# Altium PCB revision2.PcbDoc (continued)
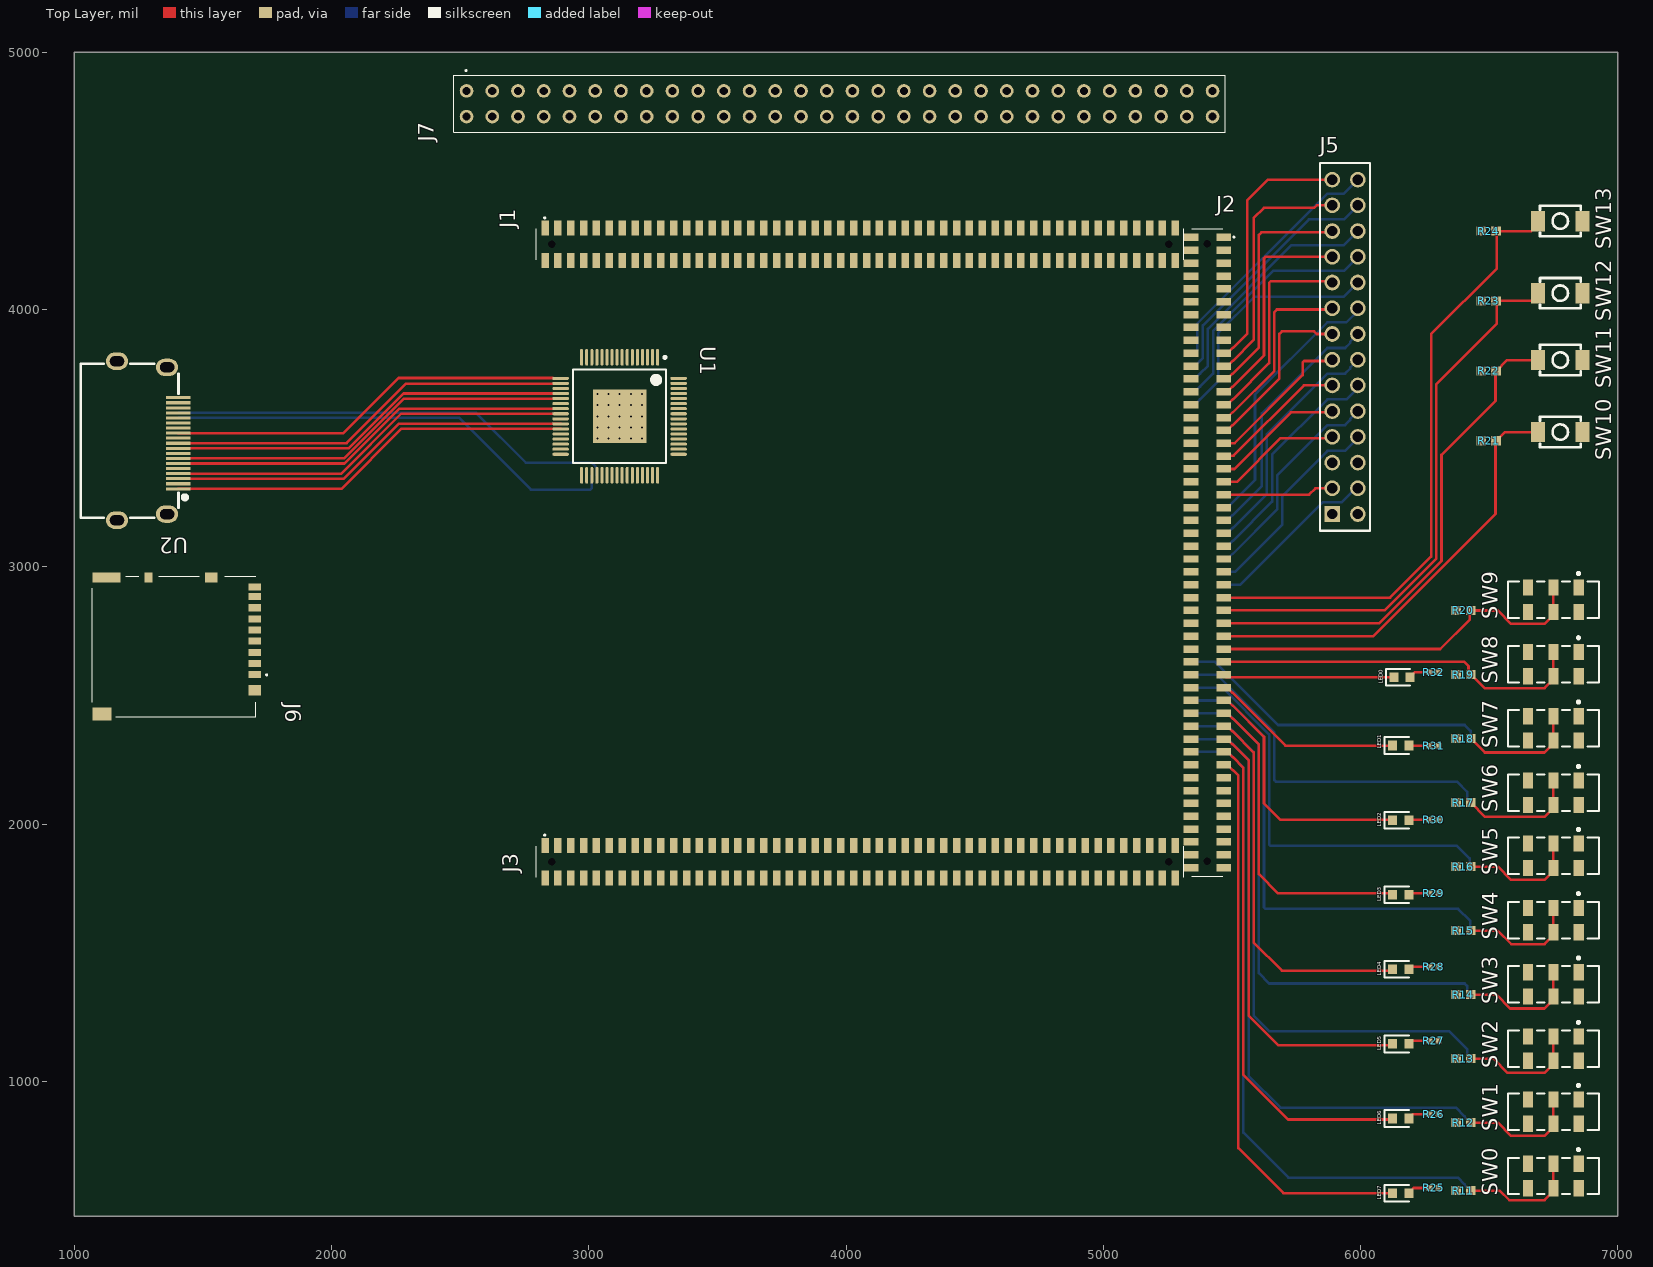
[diagram p0: Top Layer view]
## Footprints (in the part's own frame and the unit in brackets; to place one, negate y for a bottom-side part, rotate by r counter-clockwise, add the part's x,y. Pads: shape width x height; smd on the part's side, far side on the other; paste and mask are expansions set on the pad) (continued)
  rect 0.74x1.47 all layers, no hole: 15(22.225,-1.615) 16(22.225,1.615) 26(15.875,1.615) 28(14.605,1.615) 30(13.335,1.615) 32(12.065,1.615) 34(10.795,1.615) 36(9.525,1.615) 38(8.255,1.615) 40(6.985,1.615) 42(5.715,1.615) 44(4.445,1.615) 46(3.175,1.615) 48(1.905,1.615) 50(0.635,1.615) 52(-0.635,1.615) 54(-1.905,1.615) 56(-3.175,1.615) 58(-4.445,1.615) 60(-5.715,1.615) 62(-6.985,1.615) 64(-8.255,1.615) 66(-9.525,1.615) 68(-10.795,1.615) 70(-12.065,1.615)
  round 0.37 hole 0.74 unplated: 101(30.475,0) 102(-30.475,0)
  silkscreen extent -31.96,-2.66 31.96,1.52, body extent -31.97,-2.28 31.97,2.28, height 2.47
CLP-150-02-XXX-D-A#2 [mm]
  rect 0.74x1.47 smd: 1(31.115,-1.615) 2(31.115,1.615) 3(29.845,-1.615) 4(29.845,1.615) 5(28.575,-1.615) 6(28.575,1.615) 7(27.305,-1.615) 8(27.305,1.615) 9(26.035,-1.615) 10(26.035,1.615) 11(24.765,-1.615) 12(24.765,1.615) 13(23.495,-1.615) 14(23.495,1.615) 15(22.225,-1.615) 16(22.225,1.615) 17(20.955,-1.615) 18(20.955,1.615) 19(19.685,-1.615) 21(18.415,-1.615) 23(17.145,-1.615) 25(15.875,-1.615) 27(14.605,-1.615) 29(13.335,-1.615) 30(13.335,1.615) 31(12.065,-1.615) 32(12.065,1.615) 33(10.795,-1.615) 34(10.795,1.615) 35(9.525,-1.615) 36(9.525,1.615) 37(8.255,-1.615) 38(8.255,1.615) 39(6.985,-1.615) 40(6.985,1.615) 41(5.715,-1.615) 42(5.715,1.615) 44(4.445,1.615) 46(3.175,1.615) 48(1.905,1.615) 50(0.635,1.615) 52(-0.635,1.615) 54(-1.905,1.615) 56(-3.175,1.615) 57(-4.445,-1.615) 58(-4.445,1.615) 59(-5.715,-1.615) 60(-5.715,1.615) 61(-6.985,-1.615) 62(-6.985,1.615) 63(-8.255,-1.615) 64(-8.255,1.615) 65(-9.525,-1.615) 66(-9.525,1.615) 67(-10.795,-1.615) 69(-12.065,-1.615) 71(-13.335,-1.615) 73(-14.605,-1.615) 75(-15.875,-1.615) 77(-17.145,-1.615) 79(-18.415,-1.615) 81(-19.685,-1.615) 83(-20.955,-1.615) 84(-20.955,1.615) 85(-22.225,-1.615) 86(-22.225,1.615) 87(-23.495,-1.615) 88(-23.495,1.615) 89(-24.765,-1.615) 90(-24.765,1.615) 91(-26.035,-1.615) 92(-26.035,1.615) 93(-27.305,-1.615) 94(-27.305,1.615) 95(-28.575,-1.615) 96(-28.575,1.615) 97(-29.845,-1.615) 98(-29.845,1.615) 99(-31.115,-1.615) 100(-31.115,1.615)
  rect 0.74x1.47 all layers, no hole: 20(19.685,1.615) 22(18.415,1.615) 24(17.145,1.615) 26(15.875,1.615) 28(14.605,1.615) 43(4.445,-1.615) 45(3.175,-1.615) 47(1.905,-1.615) 49(0.635,-1.615) 51(-0.635,-1.615) 53(-1.905,-1.615) 55(-3.175,-1.615) 68(-10.795,1.615) 70(-12.065,1.615) 72(-13.335,1.615) 74(-14.605,1.615) 76(-15.875,1.615) 78(-17.145,1.615) 80(-18.415,1.615) 82(-19.685,1.615)
  round 0.37 hole 0.74 unplated: 101(30.475,0) 102(-30.475,0)
  silkscreen extent -31.97,-2.67 31.97,1.53, body extent -31.97,-2.28 31.97,2.28, height 2.47
CLP-150-02-XXX-D-A#3 [mm]
  rect 0.74x1.47 all layers, no hole: 1(31.115,-1.615) 2(31.115,1.615) 3(29.845,-1.615) 4(29.845,1.615)
  rect 0.74x1.47 smd: 5(28.575,-1.615) 6(28.575,1.615) 7(27.305,-1.615) 8(27.305,1.615) 9(26.035,-1.615) 10(26.035,1.615) 11(24.765,-1.615) 12(24.765,1.615) 13(23.495,-1.615) 14(23.495,1.615) 15(22.225,-1.615) 16(22.225,1.615) 17(20.955,-1.615) 18(20.955,1.615) 19(19.685,-1.615) 20(19.685,1.615) 21(18.415,-1.615) 22(18.415,1.615) 23(17.145,-1.615) 24(17.145,1.615) 25(15.875,-1.615) 26(15.875,1.615) 27(14.605,-1.615) 28(14.605,1.615) 29(13.335,-1.615) 30(13.335,1.615) 31(12.065,-1.615) 32(12.065,1.615) 33(10.795,-1.615) 34(10.795,1.615) 35(9.525,-1.615) 36(9.525,1.615) 37(8.255,-1.615) 38(8.255,1.615) 39(6.985,-1.615) 40(6.985,1.615) 41(5.715,-1.615) 42(5.715,1.615) 43(4.445,-1.615) 44(4.445,1.615) 45(3.175,-1.615) 46(3.175,1.615) 47(1.905,-1.615) 48(1.905,1.615) 49(0.635,-1.615) 50(0.635,1.615) 51(-0.635,-1.615) 52(-0.635,1.615) 53(-1.905,-1.615) 54(-1.905,1.615) 55(-3.175,-1.615) 56(-3.175,1.615) 57(-4.445,-1.615) 58(-4.445,1.615) 59(-5.715,-1.615) 60(-5.715,1.615) 61(-6.985,-1.615) 62(-6.985,1.615) 63(-8.255,-1.615) 64(-8.255,1.615) 65(-9.525,-1.615) 66(-9.525,1.615) 67(-10.795,-1.615) 68(-10.795,1.615) 69(-12.065,-1.615) 70(-12.065,1.615) 71(-13.335,-1.615) 72(-13.335,1.615) 73(-14.605,-1.615) 74(-14.605,1.615) 75(-15.875,-1.615) 76(-15.875,1.615) 77(-17.145,-1.615) 78(-17.145,1.615) 79(-18.415,-1.615) 80(-18.415,1.615) 81(-19.685,-1.615) 82(-19.685,1.615) 83(-20.955,-1.615) 84(-20.955,1.615) 85(-22.225,-1.615) 86(-22.225,1.615) 87(-23.495,-1.615) 88(-23.495,1.615) 89(-24.765,-1.615) 90(-24.765,1.615) 91(-26.035,-1.615) 92(-26.035,1.615) 93(-27.305,-1.615) 94(-27.305,1.615) 95(-28.575,-1.615) 96(-28.575,1.615) 97(-29.845,-1.615) 98(-29.845,1.615) 99(-31.115,-1.615) 100(-31.115,1.615)
  round 0.37 hole 0.74 unplated: 101(30.475,0) 102(-30.475,0)
  silkscreen extent -31.96,-2.66 31.96,1.52, body extent -31.97,-2.28 31.97,2.28, height 2.47
DM3ATSFPEJM5 [mm]
  rect 0.7x1.2 smd: 1(2.775,7.412) 2(1.675,7.412) 3(0.575,7.412) 4(-0.525,7.412) 5(-1.625,7.412) 7(-3.825,7.412) 8(-4.925,7.412)
  rect 0.7x1.2 all layers, no hole: 6(-2.725,7.412) MP2(-5.875,7.412)
  rect 1x1.2 all layers, no hole: MP1(4.325,7.412) MP3(-6.825,3.112)
  rect 1x0.8 all layers, no hole: MP4(-6.825,-3.087)
  rect 1x2.8 all layers, no hole: MP5(-6.825,-7.237)
  rect 1.3x1.9 all layers, no hole: MP6(6.675,-7.688)
  silkscreen extent -6.93,-8.64 6.93,8.64, body extent -6.98,-8.65 6.97,7.51, height 1.68
FP-JS202011JCQN-MFG#1 [mm]
  rect 1x1.6 smd paste+0 mask+0: 1(-2.5,-1.2) 2(0,-1.2) 3(2.5,-1.2) 6(0,1.2) 7(2.5,1.2)
  rect 1x1.6 all layers, no hole paste-2539.97 mask+0: 5(-2.5,1.2)
  silkscreen extent -4.5,-2.72 4.5,1.8, body extent -4.6,-2.1 4.6,2.1, height 0.25
FP-JS202011JCQN-MFG#2 [mm]
  rect 1x1.6 all layers, no hole paste-2539.97 mask+0: 1(-2.5,-1.2) 5(-2.5,1.2)
  rect 1x1.6 smd paste+0 mask+0: 2(0,-1.2) 3(2.5,-1.2) 6(0,1.2) 7(2.5,1.2)
  silkscreen extent -4.5,-2.72 4.5,1.8, body extent -4.6,-2.1 4.6,2.1, height 0.25
HDMI-232D [mm]
  rect 0.3x2.4 smd paste-100 mask+0.051: 1(4.75,3.025) 3(3.75,3.025) 4(3.25,3.025) 6(2.25,3.025) 7(1.75,3.025) 9(0.75,3.025) 10(0.25,3.025) 12(-0.75,3.025) 14(-1.75,3.025) 18(-3.75,3.025) 19(-4.25,3.025)
  rect 0.3x2.4 all layers, no hole paste-100 mask+0.051: 2(4.25,3.025) 5(2.75,3.025) 8(1.25,3.025) 11(-0.25,3.025) 13(-1.25,3.025) 15(-2.25,3.025) 16(-2.75,3.025) 17(-3.25,3.025)
  oval 1.7x2.2 hole 1 slot 1.4 at 90 deg: 20(7.25,1.925) 21(7.85,-3.025) 22(-7.85,-3.025) 23(-7.25,1.925)
  silkscreen extent -7.62,-6.6 7.62,3.88
LEDC1608X80N [mm]
  rect 0.9x0.95 smd: 1(-0.8,0) 2(0.8,0)
  silkscreen extent -1.6,-0.82 0.8,0.82, body extent -0.83,-0.4 0.77,0.4, height 0.8
RES-0402 [mm] "Chip Resistor, 2-Leads, Body 1.00x0.50mm, IPC Medium Density"
  rect 0.6x0.55 all layers, no hole: 1(-0.45,0)
  rect 0.6x0.55 smd: 2(0.45,0)
  body extent -0.55,-0.27 0.55,0.28, height 0.4
RES-0603#1 [mm] "Chip Resistor, 2-Leads, Body 1.60x0.80mm, IPC Medium Density"
  rect 0.95x0.9 all layers, no hole: 1(-0.725,0) 2(0.725,0)
  body extent -0.85,-0.45 0.85,0.45, height 0.55
RES-0603#2 [mm] "Chip Resistor, 2-Leads, Body 1.60x0.80mm, IPC Medium Density"
  rect 0.95x0.9 smd: 1(-0.725,0)
  rect 0.95x0.9 all layers, no hole: 2(0.725,0)
  body extent -0.85,-0.45 0.85,0.45, height 0.55
SMTC-SSQ-114-01-X-D [mm] "SQ Post Socket, 2x14 Pins, Vertical, 2.54mm Pitch, Female"
  rect 1.55x1.55 hole 1.02: 1(0,0)
  round 1.55 hole 1.02: 2(0,-2.54) 3(2.54,0) 4(2.54,-2.54) 5(5.08,0) 6(5.08,-2.54) 7(7.62,0) 8(7.62,-2.54) 9(10.16,0) 10(10.16,-2.54) 11(12.7,0) 12(12.7,-2.54) 13(15.24,0) 14(15.24,-2.54) 15(17.78,0) 16(17.78,-2.54) 17(20.32,0) 18(20.32,-2.54) 19(22.86,0) 20(22.86,-2.54) 21(25.4,0) 22(25.4,-2.54) 23(27.94,0) 24(27.94,-2.54) 25(30.48,0) 26(30.48,-2.54) 27(33.02,0) 28(33.02,-2.54)
  silkscreen extent -1.65,-3.74 34.67,1.2, body extent -1.52,-3.75 34.54,1.21, height 8.51
TS-1185-B-A-B-A [mm]
  rect 1.35x2 all layers, no hole: 1(11.851,17.181)
  rect 1.35x2 smd: 2(16.251,17.181)
  silkscreen extent 12.05,15.68 16.05,18.68

## Part data
J1 J2 J3 J7: "Connector", Manufacturer_Name=SAMTEC
  J1 J2 J3: Datasheet Link=http://suddendocs.samtec.com/prints/erm8-xxx-xx.x-xxx-dv-xxxx-xx-mkt.pdf, Height=2.37mm, Manufacturer_Part_Number=CLP-150-02-L-D-A
  J7: Datasheet Link=http://suddendocs.samtec.com/prints/ces-1xx-xx-x-d%20-mkt.pdf, Manufacturer_Part_Number=CES-130-02-T-D
J5: library part CMP-1023-00305-1, "SQ Post Socket, Through-hole, Vertical, -55 to 125 degC, 2.54 mm Pitch, 28-Pin, Female, RoHS", Manufacturer=Samtec, Temperature Range="-55 to 125 degC", ComponentLink1Description="Manufacturer URL", ComponentLink1URL=http://www.samtec.com, ComponentLink2Description=Datasheet, ComponentLink2URL=http://www.samtec.com/documents/webfiles/pdf/SSQ_TH.PDF, ComponentLink3Description="Package Specification", ComponentLink3URL=http://www.samtec.com/documents/webfiles/cpdf/SSQ-1XX-XX-XXX-X-XX-XXX-XX-X-MKT.pdf, DatasheetVersion=F-214, Mounting Technology=Through-hole, Orientation=Vertical, PackageDescription="Assembly, Socket Strip .025[0.64] SQ Tail", PackageReference=SSQ-114-01-X-D, PackageVersion="BD, 6/1987", PartNumber=SSQ-114-01-G-D, Pitch="2.54 mm", RoHS=True
J6: "Connector", Manufacturer_Name=Hirose, Mouser Part Number=798-DM3AT-SF-PEJM5, Datasheet Link=https://datasheet.lcsc.com/szlcsc/Hirose-HRS-DM3AT-SF-PEJM5_C114218.pdf, Height=1.83mm, Manufacturer_Part_Number=DM3AT-SF-PEJM5, Mouser Price/Stock=https://www.mouser.co.uk/ProductDetail/Hirose-Connector/DM3AT-SF-PEJM5?qs=LZSZKJVF%252B2WTDKp%252BR7IYAQ%3D%3D
LED0 LED1 LED2 LED3 LED4 LED5 LED6 LED7: "LED", Manufacturer_Name=Lite-On, Mouser Part Number=859-LTST-C190KRKT, Arrow Part Number=LTST-C190KRKT, Arrow Price/Stock=https://www.arrow.com/en/products/ltst-c190krkt/lite-on-technology?utm_currency=USD&region=europe, Datasheet Link=https://componentsearchengine.com/Datasheets/1/LTST-C190KRKT.pdf, Height=0.8mm, Manufacturer_Part_Number=LTST-C190KRKT, Mouser Price/Stock=https://www.mouser.co.uk/ProductDetail/LITEON/LTST-C190KRKT?qs=kAD5fFa1n5VY3YYNWPC1Fg%3D%3D
R11 R12 R13 R14 R15 R16 R17 R18 R19 R20 R21 R22 R23 R24: "Resistor, 10kΩ, ±1%, 100mW, 75V, ±100ppm/℃, -55℃~+155℃, SMD 0603", JLCPCB Basic Part=Yes, JLCPCB Part Number=C25804, Manufacturer=Uniroyal, Package Size=0603, Power Rating=100mW, Resistance=10kΩ, Temperature Coefficient=±100ppm/℃, Temperature Rating=-55℃~+155℃, Tolerance=±1%, Voltage Rating=75V, Category=Resistors, ComponentLink1Description=Datasheet, ComponentLink1URL=https://wmsc.lcsc.com/wmsc/upload/file/pdf/v2/lcsc/2206010045_UNI-ROYAL-Uniroyal-Elec-0603WAF1002T5E_C25804.pdf, ComponentLink2Description="JLCPCB Part URL", ComponentLink2URL=https://jlcpcb.com/partdetail/C25804, Manufacturer Part Number=0603WAF1002T5E, Supplier 1=LCSC, Supplier Part Number 1=C25804
R25 R26 R27 R28 R29 R30 R31 R32: "Resistor, 200Ω, ±1%, 62.5mW, 50V, ±100ppm/℃, -55℃~+155℃, SMD 0402", JLCPCB Basic Part=Yes, JLCPCB Part Number=C25087, Manufacturer=Uniroyal, Package Size=0402, Power Rating=62.5mW, Resistance=200Ω, Temperature Coefficient=±100ppm/℃, Temperature Rating=-55℃~+155℃, Tolerance=±1%, Voltage Rating=50V, Category=Resistors, ComponentLink1Description=Datasheet, ComponentLink1URL=https://wmsc.lcsc.com/wmsc/upload/file/pdf/v2/lcsc/2205311900_UNI-ROYAL-Uniroyal-Elec-0402WGF2000TCE_C25087.pdf, ComponentLink2Description="JLCPCB Part URL", ComponentLink2URL=https://jlcpcb.com/partdetail/C25087, Manufacturer Part Number=0402WGF2000TCE, Supplier 1=LCSC, Supplier Part Number 1=C25087
SW0 SW1 SW2 SW3 SW4 SW5 SW6 SW7 SW8 SW9: library part CMP-10038-000009-1, "SWITCH SLIDE DPDT 300MA 6V", Current Rating=300mA, Max Operating Temperature=85°C, Min Operating Temperature=-40°C, Voltage Rating (DC)=6V, Actuator Length=2mm, Actuator Material=Nylon, Actuator Type=Standard, Contact Material="Copper Alloy", Contact Plating=Silver, Electrical Life=5000Cycles, Mount="Surface Mount", Packaging="Cut Tape", Switch Function=On-On, Switch Travel=2mm, Throw Configuration=DPDT
SW10 SW11 SW12 SW13: "Tactile switch ROHS, SPST Surface Mount, -30C +85C 1.6N 12V 2mm 3mm 4mm 50mA Black no round button", Actuator/Cap Color=Black, Contact Current=50mA, Insulation Resistance=-, JLCPCB Part Class="Extended Part", LCSC Part Name="4*3*2mm 立贴 轻触开关", Manufacturer="XKB Connectivity(中国星坤)", Operating Force=160gf, Operating Temperature=-30℃~+85℃, Voltage Rating (DC)=12V, Actuator Style="Round Button", Add into BOM=yes, Circuit=SPST, Convert to PCB=yes, Datasheet=https://atta.szlcsc.com/upload/public/pdf/source/20211011/C2F26DC0AE1820400F54DBF49644F5A1.pdf, Device=TS-1185-B-A-B-A, Manufacturer Part=TS-1185-B-A-B-A, Mechanical Life=10万次, Mounting Style="Brick nogging", Strike Gundam=不带, Supplier=LCSC, Supplier Footprint=SMD, Supplier Part=C561517, Switch Height=2mm, Switch Length=4mm, Switch Width=3mm, Symbol=TS-1185-B-A-B-A, With Lamp=No
U1: library part CMP-2000-05043-1, "High Performance HDMI Transmitter, 165 MHz, 1.8 to 3.3 V, -25 to 85 degC, 64-Pin LQFP, RoHS, Tray", Manufacturer=AnalogDevicesInc., Maximum Operating Temperature=+85C, Minimum Operating Temperature=-25C, Operating Supply Voltage=1.8Vto3.3V, Package / Case=LQFP-64, Brand=AnalogDevices, Datasheet URL=https://datasheet.ciiva.com/15120/getdatasheetpartid-570006-15120176.pdf, Datasheet Version="Rev. A, 01/2013", Factory Pack Quantity=160, Manufacturer URL=http://www.analog.com/, Mounting Style=SMD/SMT, Number of Channels=8Channel, Packaging=Tray, Product Category=VideoICs, RoHS=Details, Series=ADV7513, Type=HDMITransmitters
U2: JLCPCB Part Class="Extended Part", LCSC Part Name="HDMI TYPE A型短体壳长9.5", Manufacturer=HANBO(汉博), Add into BOM=yes, Convert to PCB=yes, Datasheet=https://item.szlcsc.com/datasheet/HDMI-232D/49535968.html, Device=HDMI-232D, Manufacturer Part=HDMI-232D, Supplier=LCSC, Supplier Footprint=SMD, Supplier Part=C47326463, Symbol=HDMI-232D

## Via types
v1: diameter 19.68, hole 7.87, Top Layer to Bottom Layer, 25 vias

## Nets (pads, with @x,y where several pads share a name; then routed paths per layer and width w, separated by ;. In a path a pad name is that pad's centre, name@x,y a point inside that pad or via, vN(x,y) a via of type N, cw(c..) or ccw(c..) an arc to the next point about the centre after c; other vN are vias at no path point)
64_L1_N: J1.40 J7.25
64_L1_P: J1.39 J7.26
64_L2_N: J1.47 J7.34
64_L2_P: J1.48 J7.33
64_L3_N: J1.46 J7.31
64_L3_P: J1.45 J7.32
64_L4_N: J1.38 J7.23
64_L4_P: J1.37 J7.24
64_L5_N: J1.49 J7.36
64_L5_P: J1.50 J7.35
64_L6_N: J1.35 J7.22
64_L6_P: J1.36 J7.21
64_L7_N: J1.56 J7.41
64_L7_P: J1.55 J7.42
64_L9_N: J1.53 J7.40
64_L9_P: J1.54 J7.39
64_L11_N: J1.58 J7.43
64_L11_P: J1.57 J7.44
64_L12_N: J1.52 J7.37
64_L12_P: J1.51 J7.38
64_L13_N: J1.71
64_L13_P: J1.72
64_L14_N: J1.73
64_L14_P: J1.74
64_L15_N: J1.61 J7.48
64_L15_P: J1.62 J7.47
64_L16_N: J1.67 J7.54
64_L16_P: J1.68 J7.53
64_L17_N: J1.66 J7.51
64_L17_P: J1.65 J7.52
64_L18_N: J1.75
64_L18_P: J1.76
64_L19_N: J1.33 J7.20
64_L19_P: J1.34 J7.19
64_L21_N: J1.63 J7.50
64_L21_P: J1.64 J7.49
64_L22_N: J1.69 J7.56
64_L22_P: J1.70 J7.55
64_L23_N: J1.77
64_L23_P: J1.78
64_L24_N: J1.60 J7.45
64_L24_P: J1.59 J7.46
65_L16_N: J1.43 J7.30
65_L16_P: J1.44 J7.29
65_L17_N: J3.21
65_L17_P: J3.22
65_L18_N: J1.42 J7.27
65_L18_P: J1.41 J7.28
65_L20_N: J3.55
65_L20_P: J3.56
65_L21_N: J1.32 J7.17
65_L21_P: J1.31 J7.18
65_L22_N: J1.30 J7.15
65_L22_P: J1.29 J7.16
65_L23_N: J3.62
65_L23_P: J3.61
65_L24_N: J3.33
65_L24_P: J3.34
66_L5_N: J3.43
66_L5_P: J3.44
66_L8_N: J1.26 J7.11
66_L8_P: J1.25 J7.12
66_L9_N: J3.23
66_L9_P: J3.24
66_L10_N: J1.28 J7.13
66_L10_P: J1.27 J7.14
66_L15_N: J3.25
66_L15_P: J3.26
66_L17_N: J3.28
66_L17_P: J3.27
67_L1_N: J3.80
67_L1_P: J3.79
67_L2_N: J3.70
67_L2_P: J3.69
67_L3_N: J3.78
67_L3_P: J3.77
67_L4_N: J3.57
67_L4_P: J3.58
67_L5_N: J3.72
67_L5_P: J3.71
67_L6_N: J3.68
67_L6_P: J3.67
67_L7_N: J3.76
67_L7_P: J3.75
67_L9_N: J3.41
67_L9_P: J3.42
67_L10_N: J3.45
67_L10_P: J3.46
67_L12_N: J3.53
67_L12_P: J3.54
67_L13_N: J3.51
67_L13_P: J3.52
67_L14_N: J3.49
67_L14_P: J3.50
67_L15_N: J3.66
67_L15_P: J3.65
67_L16_N: J3.60
67_L16_P: J3.59
67_L17_N: J3.74
67_L17_P: J3.73
67_L18_N: J3.47
67_L18_P: J3.48
67_L19_N: J3.31
67_L19_P: J3.32
67_L20_N: J3.39
67_L20_P: J3.40
67_L22_N: J3.37
67_L22_P: J3.38
67_L23_N: J3.29
67_L23_P: J3.30
67_L24_N: J3.35
67_L24_P: J3.36
A9: J2.62 R20.1 SW9.2 SW9.6 | length 1504.2
  Top Layer w10: 5468.58,2680.2 6310.2,2680.2 6425,2795 6425,2826.46 R20.1 6533.8,2830 6585.92,2777.87 6715.31,2777.87 6750,2812.56 SW9.6 SW9.2
A10: J2.64 R19.1 SW8.2 SW8.6 | length 1457.6
  Top Layer w10: 5468.58,2630.2 6403.63,2630.2 6420,2613.83 6420,2589.65 R19.1 ; R19.1@6429.53,2581.11 6482.76,2527.87 6715.31,2527.87 6750,2562.56 SW8.6 SW8.2
A12: J2.81 LED4.1 | length 1949.1
  Top Layer w10: J2.81 5482.95,2280.2 5503.39,2259.76 5503.73,2259.76 5545,2218.5 5545,1025 5718.83,851.17 6121.17,851.17 6125,855
A13: J2.74 R17.1 SW6.2 SW6.6 | length 1883.9
  Top Layer w10: R17.1 6429.53,2083.33 6484.99,2027.87 6715.31,2027.87 6750,2062.56 SW6.6 SW6.2
  Bottom Layer w10: 5341.42,2580.2 5441.37,2580.2 5665,2356.57 5665,2170.86 5670.86,2165 6375,2165 6414.67,2125.33 6414.67,2097.2 6414.84,2097.03 6414.84,2096.05 6427.56,2083.33 R17.1
A14: J2.75 LED1.1 | length 1243.5
  Top Layer w10: J2.75 5482.95,2430.2 5503.39,2409.76 5503.73,2409.76 5605,2308.5 5605,1805 5680,1730 6120,1730 6125,1725
AA13: J2.31 J6.3 | length 686.4
  Top Layer w10: J2.31 5482.95,3530.2 5503.39,3550.63 5503.73,3550.63 5685,3731.9 5685,3905 5695,3915 5820,3915 5830,3905 5890,3905
AA14: J2.32 J6.5
AB14: J2.29 J6.1 | length 731
  Top Layer w10: J2.29 5482.95,3580.2 5503.39,3600.63 5503.73,3600.63 5665,3761.9 5665,3990 5675,4000 5885,4000 5890,4005
AB16: J2.30 J6.2
AC13: J2.27 | length 805.1
  Top Layer w10: J2.27 5482.95,3630.2 5503.39,3650.63 5503.73,3650.63 5645,3791.9 5645,4104.14 5650.86,4110 5885,4110 5890,4105
AC14: J2.28 | length 955
  Bottom Layer w10: J2.28 5355.79,3630.2 5376.22,3650.63 5376.57,3650.63 5446.96,3721.02 5446.96,3908.43 5589.04,4050.51 5935.51,4050.51 5990,4105
AD13: J2.25 | length 859.8
  Top Layer w10: J2.25 5482.95,3680.2 5503.39,3700.63 5503.73,3700.63 5625,3821.9 5625,4199.14 5630.86,4205 5890,4205
AD14: J2.26 | length 963
  Bottom Layer w10: J2.26 5355.79,3680.2 5376.22,3700.63 5376.57,3700.63 5426.96,3751.02 5426.96,3916.72 5660.76,4150.51 5935.51,4150.51 5990,4205
AD15: J2.20 | length 989.6
  Bottom Layer w10: J2.20 5355.79,3830.2 5365.35,3839.76 5365.35,3944.72 5871.15,4450.51 5935.51,4450.51 5990,4505
ADC_VN: J3.63
ADC_VP: J3.64
AE13: J2.23 | length 916.1
  Top Layer w10: J2.23 5482.95,3730.2 5503.39,3750.63 5503.73,3750.63 5605,3851.9 5605,4290 5615,4300 5885,4300 5890,4305
AE15: J2.24 | length 971
  Bottom Layer w10: J2.24 5355.79,3730.2 5376.22,3750.63 5376.57,3750.63 5406.96,3781.02 5406.96,3925 5732.47,4250.51 5935.51,4250.51 5990,4305
AF13: J2.21 | length 957.4
  Top Layer w10: J2.21 5482.95,3780.2 5503.39,3800.63 5503.73,3800.63 5585,3881.9 5585,4355 5625,4395 5820,4395 5830,4405 5890,4405
AF14: J2.22 | length 981.8
  Bottom Layer w10: J2.22 5355.79,3780.2 5376.22,3800.63 5376.57,3800.63 5386.96,3811.02 5386.96,3938.04 5799.43,4350.51 5935.51,4350.51 5990,4405
AF15: J2.19 | length 1004.4
  Top Layer w10: J2.19 5482.95,3830.2 5503.39,3850.63 5503.73,3850.63 5560,3906.9 5560,4425 5640,4505 5890,4505
B9: J2.83 LED5.1 | length 2194.7
  Top Layer w10: J2.83 5482.95,2230.2 5503.39,2209.76 5503.73,2209.76 5525,2188.5 5525,740 5700,565 6125,565
B10: J2.66 R18.1 SW7.2 SW7.6 | length 1692.3
  Top Layer w10: R18.1 6429.53,2332.22 6483.88,2277.87 6715.31,2277.87 6750,2312.56 SW7.6 SW7.2
  Bottom Layer w10: 5341.42,2630.2 5434.8,2630.2 5680,2385 6405,2385 6428.54,2361.46 R18.1
B11: J2.79 LED3.1 | length 1733.5
  Top Layer w10: J2.79 5482.95,2330.2 5503.39,2309.76 5503.73,2309.76 5565,2248.5 5565,1255 5680,1140 6120,1140 6125,1145
B12: J2.76 R16.1 SW5.2 SW5.6 | length 2105
  Top Layer w10: R16.1 6534.07,1834.44 6585.64,1782.87 6715.31,1782.87 6750,1817.56 SW5.6 SW5.2
  Bottom Layer w10: 5341.42,2530.2 5463.09,2530.2 5645,2348.28 5645,1920.86 5650.86,1915 6375,1915 6424.14,1865.86 6424.14,1838.85 R16.1
B14: J2.80 R14.1 SW3.2 SW3.6 | length 2537
  Top Layer w10: R14.1@6429.53,1336.67 6528.33,1336.67 6582.13,1282.87 6715.31,1282.87 6750,1317.56 SW3.6 SW3.2
  Bottom Layer w10: 5341.42,2430.2 5484.8,2430.2 5605,2310 5605,1420 5645,1380 6405,1380 6414.84,1370.16 6414.84,1349.38 6427.56,1336.67 R14.1
C9: J2.84 R12.1 SW1.2 SW1.6 | length 2889
  Top Layer w10: R12.1 6534.35,838.89 6585.37,787.87 6715.31,787.87 6750,822.56 SW1.6 SW1.2
  Bottom Layer w10: 5341.42,2330.2 5484.8,2330.2 5565,2250 5565,1020.86 5688.6,897.26 6370.72,897.26 6405.16,862.82 6405.16,861.29 6427.56,838.89 R12.1
C11: J2.69 LED7.1 | length 665.6
  Top Layer w10: J2.69 5478.15,2570.63 5497.75,2570.63 5498.38,2570 6130,2570
C12: J2.77 LED2.1 | length 1484.7
  Top Layer w10: J2.77 5482.95,2380.2 5503.39,2359.76 5503.73,2359.76 5585,2278.5 5585,1540 5695,1430 6120,1430 6125,1435
C13: J2.78 R15.1 SW4.2 SW4.6 | length 2331.7
  Top Layer w10: R15.1 6533.52,1585.56 6586.2,1532.87 6715.31,1532.87 6750,1567.56 SW4.6 SW4.2
  Bottom Layer w10: 5341.42,2480.2 5484.8,2480.2 5625,2340 5625,1675.86 5630.86,1670 6380,1670 6426.03,1623.97 6426.03,1588.07 R15.1
C14: J2.73 LED0.1 | length 1000.1
  Top Layer w10: J2.73 5482.95,2480.2 5503.39,2459.76 5503.73,2459.76 5625,2338.5 5625,2080 5689.02,2015.98 6125,2015.98
D9: J2.86 R11.1 SW0.2 SW0.6 | length 3083.7
  Top Layer w10: R11.1 6541.3,575 6578.42,537.87 6715.31,537.87 6750,572.56 SW0.6 SW0.2
  Bottom Layer w10: 5341.42,2280.2 5484.8,2280.2 5545,2220 5545,800 5720,625 6379.09,625 6405.16,598.93 6405.16,597.4 6427.56,575 R11.1
D10: J2.67
D11: J2.61 R23.1 SW12.2 | length 1953.8
  Top Layer w10: J2.61 6071.91,2780.2 6315,3023.28 6315,3435 6525,3645 6525,3759.58 6525.98,3759.58 6569.99,3803.58 6690.19,3803.58
D13: J2.82 R13.1 SW2.2 SW2.6 | length 2701.2
  Top Layer w10: R13.1@6429.53,1087.78 6517.22,1087.78 6572.13,1032.87 6715.31,1032.87 6750,1067.56 SW2.6 SW2.2
  Bottom Layer w10: 5341.42,2380.2 5484.8,2380.2 5585,2280 5585,1255 5645,1195 6345,1195 6414.84,1125.16 6414.84,1100.49 6427.56,1087.78 R13.1
D14: J2.71 LED6.1 | length 749.7
  Top Layer w10: J2.71 5482.95,2530.2 5503.39,2509.76 5503.73,2509.76 5708.5,2305 6125,2305
E10: J2.72
E11: J2.65 R21.1 SW10.2
E12: J2.68
F9: J2.70
F10: J2.63 R22.1 SW11.2 | length 1716
  Top Layer w10: J2.63 6050.2,2730.2 6525,3205 6525,3487.91 6527.09,3490 6528.07,3490 6561.65,3523.58 6690.19,3523.58
F12: J2.57 J5.3 | length 2431.1
  Top Layer w10: J2.57 6115.34,2880.2 6275,3039.85 6275,3905 6530,4160 6530,4302.09 6527.09,4305 6664.4,4305 6690.19,4330.79 6690.19,4343.58
F13: J2.58 J5.4
F14: J2.60
G9: J2.45 J5.17 | length 990
  Bottom Layer w10: J2.45 5482.95,3180.2 5503.39,3200.63 5503.73,3200.63 5616.32,3313.22 5616.32,3595.69 5871.15,3850.51 5940.51,3850.51 5960.32,3870.32 5960.32,3875.32 5990,3905
G10: J2.46 J5.18
G11: J2.55 J5.7 | length 676.7
  Bottom Layer w10: J2.55 5532.96,2930.2 5853.27,3250.51 5925.51,3250.51 5980,3305 5990,3305
G12: J2.56 J5.8
G14: J2.59 R24.1 SW13.2 | length 2190.9
  Top Layer w10: J2.59 6093.63,2830.2 6295,3031.57 6295,3710 6530,3945 6530,4030.42 6527.09,4033.33 6668.61,4033.33 6690.19,4054.91 6690.19,4063.58
GND: J1.1 J1.2 J1.3 J1.4 J1.5 J1.6 J1.13 J1.14 J3.1 J3.2 J3.3 J3.4 J3.81 J3.82 J5.5 J5.6 J6.6 J6.MP1 J6.MP2 J6.MP3 J6.MP4 J6.MP5 J6.MP6 J7.1 J7.2 J7.3 J7.4 J7.7 J7.8 J7.57 J7.58 SW0.1 SW0.5 SW1.1 SW1.5 SW2.1 SW2.5 SW3.1 SW3.5 SW4.1 SW4.5 SW5.1 SW5.5 SW6.1 SW6.5 SW7.1 SW7.5 SW8.1 SW8.5 SW9.1 SW9.5 SW10.1 SW11.1 SW12.1 SW13.1 U2.2 U2.5 U2.8 U2.11 U2.17 U2.20 U2.21 U2.22 U2.23
H9: J2.43 J5.19 | length 1042.8
  Bottom Layer w10: J2.43 5482.95,3230.2 5590,3337.24 5590,3669.36 5871.15,3950.51 5945.51,3950.51 5990,3995 5990,4005
H11: J2.50 J5.14
H12: J2.44 J5.20
H13: J2.51 J5.11 | length 840
  Bottom Layer w10: J2.51 5482.95,3030.2 5503.39,3050.63 5503.73,3050.63 5676.32,3223.22 5676.32,3355.69 5871.15,3550.51 5940.51,3550.51 5960,3570 5960,3575 5990,3605
H14: J2.52 J5.12
J9: J2.41 J5.21 | length 431.7
  Top Layer w10: J2.41 5800.2,3280.2 5825,3305 5890,3305
J10: J2.42 J5.22
J11: J2.49 J5.13 | length 893
  Bottom Layer w10: J2.49 5482.95,3080.2 5503.39,3100.63 5503.73,3100.63 5656.32,3253.22 5656.32,3435.69 5871.15,3650.51 5945.51,3650.51 5990,3695 5990,3705
J12: J2.47 J5.15 | length 940
  Bottom Layer w10: J2.47 5482.95,3130.2 5503.39,3150.63 5503.73,3150.63 5636.32,3283.22 5636.32,3515.69 5871.15,3750.51 5940.51,3750.51 5960.32,3770.32 5960.32,3775.32 5990,3805
J13: J2.48 J5.16
J14: J2.53 J5.9 | length 807.2
  Bottom Layer w10: J2.53 5512.52,2980.2 5696.32,3164 5696.32,3275.69 5871.15,3450.51 5940.51,3450.51 5990,3500 5990,3505
J15: J2.54 J5.10
K9: J2.39 J5.23 | length 493.8
  Top Layer w10: J2.39 5520.2,3330.2 5690,3500 5885,3500 5890,3505
K10: J2.40 J5.24
NetJ4_1: 
NetJ4_2: 
NetJ4_3: 
NetJ4_13: 
NetJ4_14: 
NetLED0_2: LED0.2 R32.2 | length 83.2
  Top Layer w10: LED0.2 6192.99,2570.98 6212.01,2590 R32.2
NetLED1_2: LED1.2 R31.2 | length 79.9
  Top Layer w10: LED1.2 6189.42,2303.57 R31.2
NetLED2_2: LED2.2 R30.2 | length 80.2
  Top Layer w10: LED2.2 6190.13,2017.14 R30.2
NetLED3_2: LED3.2 R29.2 | length 81.7
  Top Layer w10: LED3.2 6193.71,1730.71 R29.2
NetLED4_2: LED4.2 R28.2 | length 83.1
  Top Layer w10: LED4.2 6197.28,1444.29 R28.2
NetLED5_2: LED5.2 R27.2 | length 84.7
  Top Layer w10: LED5.2 6187.99,1145.14 6200.71,1157.86 R27.2
NetLED6_2: LED6.2 R26.2 | length 86.7
  Top Layer w10: LED6.2 6187.99,855.98 6203.44,871.43 R26.2
NetLED7_2: LED7.2 R25.2 | length 88.2
  Top Layer w10: LED7.2 6187.99,565.98 6207.01,585 R25.2
NetU1_17: U1.17 U2.12 | length 1544.7
  Top Layer w10: U2.12 2046,3519.52 2260.34,3733.86 U1.17@2860,3733.86
NetU1_18: U1.18 U2.10 | length 1583
  Top Layer w10: U2.10 1404.64,3480.69 2058.86,3480.69 2289.9,3711.73 2889.45,3711.73 U1.18
NetU1_20: U1.20 U2.9 | length 1575
  Top Layer w10: U2.9@1404.1,3460 2066.45,3460 2280.04,3673.58 U1.20
NetU1_21: U1.21 U2.7 | length 1583
  Top Layer w10: U2.7 2048.77,3421.1 2281.56,3653.9 U1.21
NetU1_23: U1.23 U2.6 | length 1574.8
  Top Layer w10: U2.6 2050.29,3401.41 2263.41,3614.53 U1.23
NetU1_24: U1.24 U2.4 | length 1583
  Top Layer w10: U2.4 2037.95,3362.04 2270.75,3594.84 U1.24
NetU1_26: U1.26 U2.3 | length 1574.8
  Top Layer w10: U2.3 2047.79,3342.36 2260.9,3555.47 U1.26
NetU1_27: U1.27 U2.1 | length 1583
  Top Layer w10: U2.1 2038.12,3302.99 2270.92,3535.79 U1.27
NetU1_30: U1.30 U2.13 | length 1512.4
  Layer 1 w10: U2.13 1475.79,3539.21 1538.27,3476.73 U1.30
NetU1_35: U1.35 U2.15 | length 1776.4
  Bottom Layer w10: U2.15 1405.01,3579.49 1466.34,3579.49 1466.86,3580 2495,3580 2775,3300 3005.87,3300 3011.73,3305.86 U1.35
NetU1_36: U1.36 U2.16 | length 1745
  Bottom Layer w10: U2.16 2561.74,3598.26 2755,3405 3011.47,3405 3027.64,3388.83 3027.64,3386.51 3031.42,3382.73 U1.36
VDD3.3: J1.15 J1.16 J5.1 J5.2 J6.4 J7.9 J7.10 R11.2 R12.2 R13.2 R14.2 R15.2 R16.2 R17.2 R18.2 R19.2 R20.2 R21.2 R22.2 R23.2 R24.2 R25.1 R26.1 R27.1 R28.1 R29.1 R30.1 R31.1 R32.1 | length 12834.8
  Layer 1 w10: J5.2 J5.1 5805,3290 4000.86,3290 3180,4110.86 J1.16 J1.15 3180.25,4317.41 3180.25,4355.25 3445,4620 6154.02,4620 6469.02,4305 R24.2 R23.2 R22.2 R21.2 6469.02,3490 6371.46,3392.44 R20.2 6371.46,2658.74 ; R25.1 R26.1 R27.1 R28.1 R29.1 ; R29.1@6303.7,1730.71 R29.1 ; R11.2 R12.2 R13.2 R14.2 R15.2 R16.2 R17.2 R18.2 R19.2 6371.46,2658.74 ; R29.1 R30.1 R31.1 R32.1 6303.7,2590 6309.53,2595.83 6309.53,2596.81 6371.46,2658.74
VDD5.0: U2.18
VDD12: J1.7 J1.8 J1.9 J1.10 J1.11 J1.12 J7.5 J7.6
W12: J2.38 J5.26
W13: J2.37 J5.25 | length 514.5
  Top Layer w10: J2.37 5510.2,3380.2 5730,3600 5885,3600 5890,3605
W14: J2.36 J5.28
W15: J2.35 J5.27 | length 535.2
  Top Layer w10: J2.35 5470.05,3431.66 5506.66,3431.66 5780,3705 5890,3705
Y15: J2.34 J6.8
Y16: J2.33 J6.7 | length 584.7
  Top Layer w10: J2.33 5510.2,3480.2 5775,3745 5775,3794.14 5780.86,3800 5885,3800 5890,3805
pads on no net: J1.17 J1.18 J1.19 J1.20 J1.21 J1.22 J1.23 J1.24 J1.79 J1.80 J1.81 J1.82 J1.83 J1.84 J1.85 J1.86 J1.87 J1.88 J1.89 J1.90 J1.91 J1.92 J1.93 J1.94 J1.95 J1.96 J1.97 J1.98 J1.99 J1.100 J1.101 J1.102 J2.1 J2.2 J2.3 J2.4 J2.5 J2.6 J2.7 J2.8 J2.9 J2.10 J2.11 J2.12 J2.13 J2.14 J2.15 J2.16 J2.17 J2.18 J2.85 J2.87 J2.88 J2.89 J2.90 J2.91 J2.92 J2.93 J2.94 J2.95 J2.96 J2.97 J2.98 J2.99 J2.100 J2.101 J2.102 J3.5 J3.6 J3.7 J3.8 J3.9 J3.10 J3.11 J3.12 J3.13 J3.14 J3.15 J3.16 J3.17 J3.18 J3.19 J3.20 J3.83 J3.84 J3.85 J3.86 J3.87 J3.88 J3.89 J3.90 J3.91 J3.92 J3.93 J3.94 J3.95 J3.96 J3.97 J3.98 J3.99 J3.100 J3.101 J3.102 J7.59 J7.60 SW0.3 SW0.7 SW1.3 SW1.7 SW2.3 SW2.7 SW3.3 SW3.7 SW4.3 SW4.7 SW5.3 SW5.7 SW6.3 SW6.7 SW7.3 SW7.7 SW8.3 SW8.7 SW9.3 SW9.7 U1.1 U1.2 U1.3 U1.4 U1.5 U1.6 U1.7 U1.8 U1.9 U1.10 U1.11 U1.12 U1.13 U1.14 U1.15 U1.16 U1.19 U1.22 U1.25 U1.28 U1.29 U1.31 U1.32 U1.33 U1.34 U1.37 U1.38 U1.39 U1.40 U1.41 U1.42 U1.43 U1.44 U1.45 U1.46 U1.47 U1.48 U1.49 U1.50 U1.51 U1.52 U1.53 U1.54 U1.55 U1.56 U1.57 U1.58 U1.59 U1.60 U1.61 U1.62 U1.63 U1.64 U1.65 U2.14 U2.19
copper on no net:
  other v1: 3033.39,3498.39 3076.69,3498.39 3120,3498.39 3163.31,3498.39 3206.61,3498.39 3033.39,3541.69 3076.69,3541.69 3120,3541.69 3163.31,3541.69 3206.61,3541.69 3033.39,3585 3076.69,3585 3120,3585 3163.31,3585 3206.61,3585 3033.39,3628.31 3076.69,3628.31 3120,3628.31 3163.31,3628.31 3206.61,3628.31 3033.39,3671.61 3076.69,3671.61 3120,3671.61 3163.31,3671.61 3206.61,3671.61

## Polygon pours and split planes (outlines as drawn)
GND on Layer 2 "GND_L03_P000" (solid, pour order 0): 1000,5000 7000,5000 7000,475 1000,475